# Altium PCB BananaBoard_PCB_4_LAYERS.PcbDoc (part 2 of 3)
Units mil, origin at the board's own origin, x right, y up, seen from the top; angles counter-clockwise.
Board outline 2710.63 x 4110.24 mil, 4 copper layers (ETCH_TOP, ETCH_2_GND, ETCH_3_POWER, ETCH_BOTTOM), stack 63.2 mil thick; 391 components, 164 nets, 1036 pads, 659 vias.
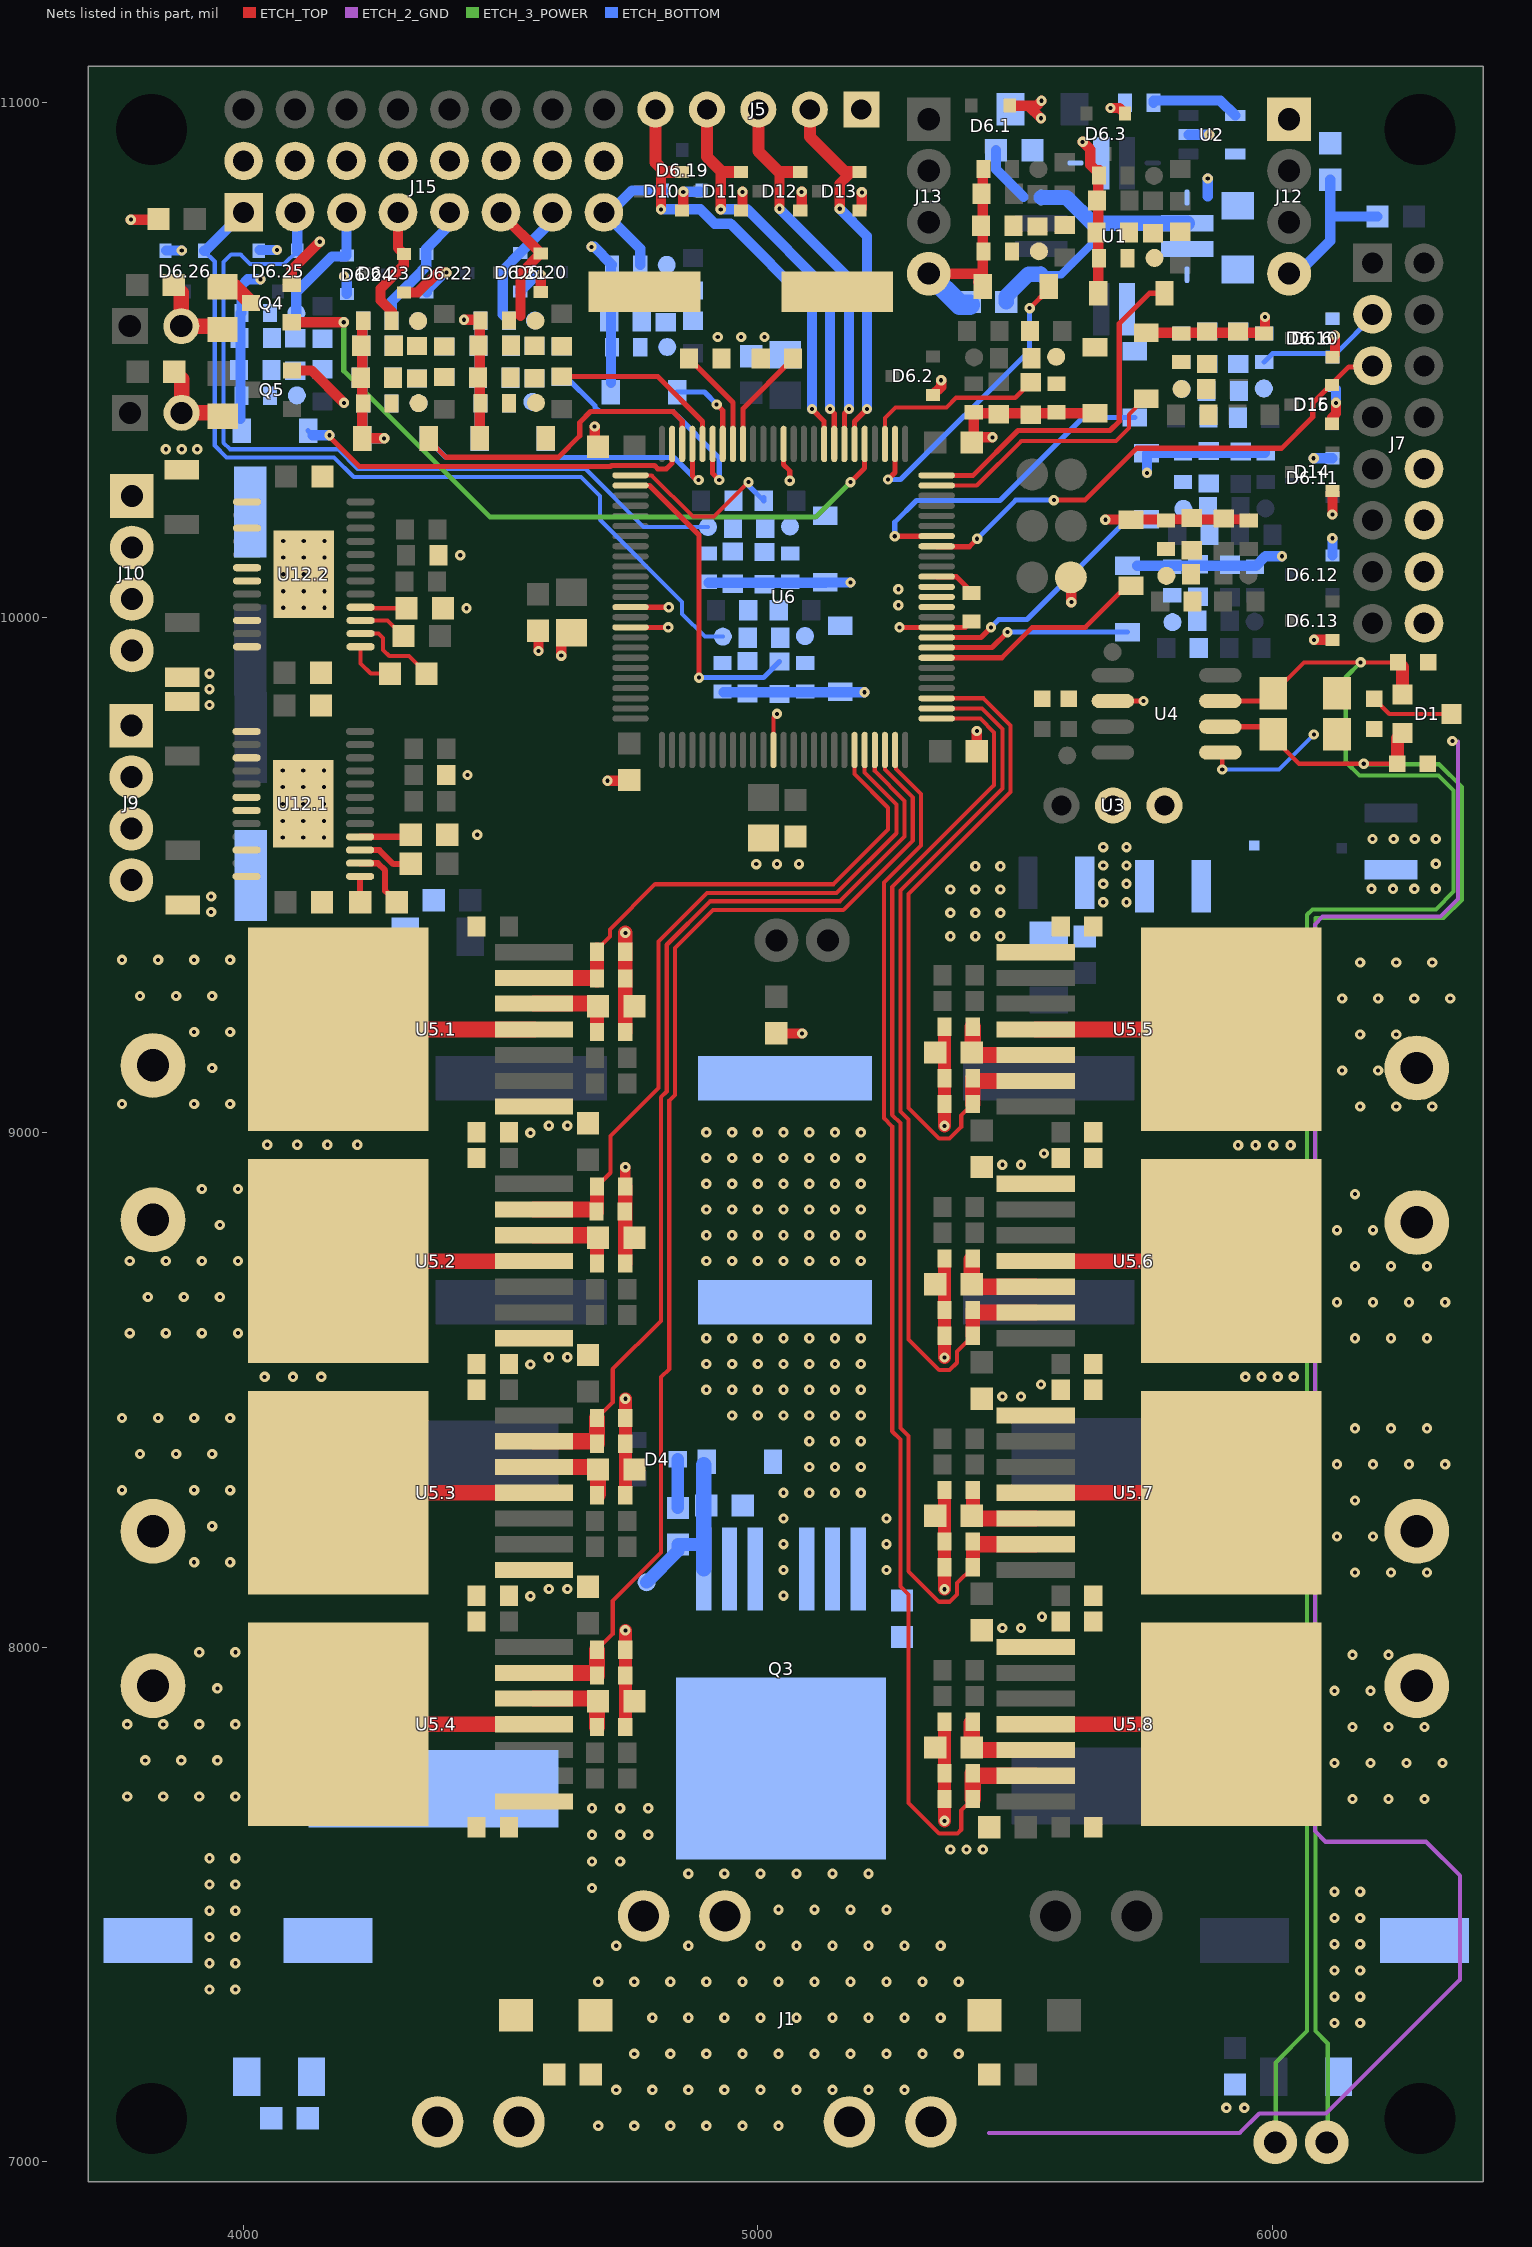
[diagram p4: the nets of this part, all layers, seen from the top]

## Footprints (in the part's own frame and the unit in brackets; to place one, negate y for a bottom-side part, rotate by r counter-clockwise, add the part's x,y. Pads: shape width x height; smd on the part's side, far side on the other; paste and mask are expansions set on the pad) (continued)
CYP-AX100_N [mm] "QFN, 100-Leads, Body 14x14mm, Pitch 0.5mm, IPC Medium Density"
  oval 1.8x0.3 smd: 1(-7.55,6) 2(-7.55,5.5) 3(-7.55,5) 4(-7.55,4.5) 5(-7.55,4) 6(-7.55,3.5) 7(-7.55,3) 8(-7.55,2.5) 9(-7.55,2) 10(-7.55,1.5) 11(-7.55,1) 12(-7.55,0.5) 13(-7.55,0) 14(-7.55,-0.5) 15(-7.55,-1) 16(-7.55,-1.5) 17(-7.55,-2) 18(-7.55,-2.5) 19(-7.55,-3) 20(-7.55,-3.5) 21(-7.55,-4) 22(-7.55,-4.5) 23(-7.55,-5) 24(-7.55,-5.5) 25(-7.55,-6) 51(7.55,-6) 52(7.55,-5.5) 53(7.55,-5) 54(7.55,-4.5) 55(7.55,-4) 56(7.55,-3.5) 57(7.55,-3) 58(7.55,-2.5) 59(7.55,-2) 60(7.55,-1.5) 61(7.55,-1) 62(7.55,-0.5) 63(7.55,0) 64(7.55,0.5) 65(7.55,1) 66(7.55,1.5) 67(7.55,2) 68(7.55,2.5) 69(7.55,3) 70(7.55,3.5) 71(7.55,4) 72(7.55,4.5) 73(7.55,5) 74(7.55,5.5) 75(7.55,6)
  oval 0.3x1.8 smd: 26(-6,-7.55) 27(-5.5,-7.55) 28(-5,-7.55) 29(-4.5,-7.55) 30(-4,-7.55) 31(-3.5,-7.55) 32(-3,-7.55) 33(-2.5,-7.55) 34(-2,-7.55) 35(-1.5,-7.55) 36(-1,-7.55) 37(-0.5,-7.55) 38(0,-7.55) 39(0.5,-7.55) 40(1,-7.55) 41(1.5,-7.55) 42(2,-7.55) 43(2.5,-7.55) 44(3,-7.55) 45(3.5,-7.55) 46(4,-7.55) 47(4.5,-7.55) 48(5,-7.55) 49(5.5,-7.55) 50(6,-7.55) 76(6,7.55) 77(5.5,7.55) 78(5,7.55) 79(4.5,7.55) 80(4,7.55) 81(3.5,7.55) 82(3,7.55) 83(2.5,7.55) 84(2,7.55) 85(1.5,7.55) 86(1,7.55) 87(0.5,7.55) 88(0,7.55) 89(-0.5,7.55) 90(-1,7.55) 91(-1.5,7.55) 92(-2,7.55) 93(-2.5,7.55) 94(-3,7.55) 95(-3.5,7.55) 96(-4,7.55) 97(-4.5,7.55) 98(-5,7.55) 99(-5.5,7.55) 100(-6,7.55)
  silkscreen extent -7.68,-6.25 6.25,6.82, body extent -7,-7 7,7, height 1.6
FCI_68000-404HLF [mil] "FCI_68000-404HLF"
  rect 85x85 hole 43 mask+0: 1(-150,0)
  round 85 hole 43 mask+0: 2(-50,0) 3(50,0) 4(150,0)
  silkscreen extent -200,-50 200,50, body extent -200,-48 200,47, height 329
HEADER2_100#1 [mil] "HEADER2_100"
  round 85 hole 43 mask+0: 1(-50,0) 2(50,0)
  silkscreen extent -95,-45 95,45, body extent -100,-50 100,50, height 340
HEADER2_100#2 [mil] "HEADER2_100"
  round 75 hole 43 mask+0: 1(-50,0) 2(50,0)
  silkscreen extent -95,-45 95,45, body extent -100,-50 100,50, height 340
HEADER2X8_826664#1 [mil] "HEADER2X8_826664"
  rect 75x75 hole 41 mask+0: 1(50,-350)
  round 75 hole 41 mask+0: 2(50,-250) 3(50,-150) 4(50,-50) 5(50,50) 6(50,150) 7(50,250) 8(50,350) 9(-50,-350) 10(-50,-250) 11(-50,-150) 12(-50,-50) 13(-50,50) 14(-50,150) 15(-50,250) 16(-50,350)
  body extent -527,-400 62,400, height 220
HEADER2X8_826664#2 [mil] "HEADER2X8_826664"
  rect 75x75 hole 41 mask+0: 1(-50,-350)
  round 75 hole 41 mask+0: 2(-50,-250) 3(-50,-150) 4(-50,-50) 5(-50,50) 6(-50,150) 7(-50,250) 8(-50,350) 9(50,-350) 10(50,-250) 11(50,-150) 12(50,-50) 13(50,50) 14(50,150) 15(50,250) 16(50,350)
  silkscreen extent -100,-400 100,400, body extent -62,-400 527,400, height 220
HEADER4_100 [mil] "HEADER4_100"
  rect 85x85 hole 43 mask+0: 1(-150,0)
  round 85 hole 43 mask+0: 2(-50,0) 3(50,0) 4(150,0)
  silkscreen extent -200,-50 200,50, body extent -192,-46 192,46, height 320
HEADER_1X5_100 [mil] "HEADER_1X5_100"
  rect 70x70 hole 39.37 mask+0: 1(0,-200)
  round 70 hole 39.37 mask+0: 2(0,-100) 3(0,0) 4(0,100) 5(0,200)
  silkscreen extent -50,-250 50,250, body extent -50,-250 50,250, height 420
INF-PG-DSO-8-16_M [mm] "SOP, 8-Leads, Body 4.9x3.9mm, Pitch 1.27mm, IPC Low Density"
  oval 2.1x0.7 smd: 1(-2.65,1.905) 2(-2.65,0.635) 3(-2.65,-0.635) 4(-2.65,-1.905) 5(2.65,-1.905) 6(2.65,-0.635) 7(2.65,0.635) 8(2.65,1.905)
  silkscreen extent -2.77,-2.5 1.2,2.93, body extent -2,-2.5 2,2.5, height 1.75
INF-PG-TO263-7-1_N [mm] "DPAK, 8-Leads, Body 10x9.25mm, Pitch 1.27mm, IPC Medium Density"
  rect 3.85x0.8 smd: 1(-6.1,3.81) 2(-6.1,2.54) 3(-6.1,1.27) 4(-6.1,0) 5(-6.1,-1.27) 6(-6.1,-2.54) 7(-6.1,-3.81)
  rect 8.9x10.05 smd: 8(3.55,0)
  silkscreen extent -6.23,-5.1 -1.3,5.1, body extent -2.6,-5.1 6.85,5.1, height 4.4
INF-PG-TO-263-7-2_L [mm] "DPAK, 7-Leads, Body 10.1x8.98mm, Pitch 1.27mm, IPC High Density"
  rect 4.1x0.75 smd: 1(-6.15,3.81) 2(-6.15,2.54) 3(-6.15,1.27) 5(-6.15,-1.27) 6(-6.15,-2.54) 7(-6.15,-3.81)
  rect 9x10.35 smd: 4(3.7,0)
  silkscreen extent -6.27,-5.15 -1.2,5.15, body extent -2.5,-5.15 6.95,5.15, height 4.57
LCC16 [mil] "LCC16"
  rect 102x31.5 smd paste-1.75 mask+0: 1(141.73,25) 8(-141.73,25) 9(-141.73,-25) 16(141.73,-25)
  oct 10x31.5 smd paste-1.5 mask+0: 2(141.73,75) 15(141.73,-75)
  oct 31.5x10 smd paste-1.5 mask+0: 3(75,141.73) 6(-75,141.73) 11(-75,-141.73) 14(75,-141.73)
  rect 31.5x102 smd paste-1.75 mask+0: 4(25,141.73) 5(-25,141.73) 12(-25,-141.73) 13(25,-141.73)
  ETCH_TOP region: -192.75,-59.25 -90.75,-59.25 -90.75,-75.25 -106.75,-90.75 -192.75,-90.75
  ETCH_TOP region: -59.25,-192.75 -59.25,-90.75 -75.25,-90.75 -90.75,-106.75 -90.75,-192.75
  ETCH_TOP region: -59.25,192.75 -59.25,90.75 -75.25,90.75 -90.75,106.75 -90.75,192.75
  ETCH_TOP region: 59.25,192.75 59.25,90.75 75.25,90.75 90.75,106.75 90.75,192.75
  ETCH_TOP region: 192.75,59.25 90.75,59.25 90.75,75.25 106.75,90.75 192.75,90.75
  ETCH_TOP region: 192.75,-59.25 90.75,-59.25 90.75,-75.25 106.75,-90.75 192.75,-90.75
  ETCH_TOP region: 59.25,-192.75 59.25,-90.75 75.25,-90.75 90.75,-106.75 90.75,-192.75
  ETCH_TOP region: -192.75,59.25 -90.75,59.25 -90.75,75.25 -106.75,90.75 -192.75,90.75
  silkscreen extent -66,-66 74,74, body extent -140,-140 140,140, height 60
LED_100mils_TH [mil]
  rect 70x70 hole 43: 1(-100,0)
  round 70 hole 43: 2(0,0)
LPS5030 [mil]
  rect 20x20 smd: 1(-85,-5) 2(85,0)
  ETCH_TOP region: 30,-108.5 67,-108.5 108.5,-67 108.5,67 67,108.5 30,108.5 30,67 67,33.25 67,-33.25 30,-67
  ETCH_TOP region: -30,108.5 -67,108.5 -108.5,67 -108.5,-67 -67,-108.5 -30,-108.5 -30,-67 -67,-33.25 -67,33.25 -30,67
  silkscreen extent -110,100 -100,110, body extent -99,-99 99,99, height 118
Molex_39910-0104_4POS_60A [mil]
  round 100 hole 60: 1(0,0) 1(158,0) 2(400,-400) 2(558,-400) 3(800,0) 3(958,0) 4(1200,-400) 4(1358,-400)
  silkscreen extent -151,-479 1509,96, body extent -151,-653 1509,87, height 1170
NXP-SOT23-3_V [mm] "SOT23, 3-Leads, Body 1.3x2.9mm, Pitch 0.95mm"
  rect 0.6x0.7 smd paste-0.05: 1(0.95,1) 2(-0.95,1) 3(0,-1)
  silkscreen extent -1.45,-0.65 1.45,1.79, body extent -1.45,-0.65 1.45,0.65, height 1.1
ONSC-SOD-123-2-425-04_V [mm] "SOD, 2-Leads, Body 2.69x1.6mm"
  rect 0.91x1.22 smd: 1(-1.635,0) 2(1.635,0)
  silkscreen extent -1.76,-0.8 0.78,1.28, body extent -1.35,-0.8 1.35,0.8, height 1.35
ONSC-SOT23-5_L [mm] "SOT23, 5-Leads, Body 2.90x1.6mm, Pitch 0.95mm, IPC High Density"
  rect 1x0.55 smd: 1(-1.15,0.95) 2(-1.15,0) 3(-1.15,-0.95) 4(1.15,-0.95) 5(1.15,0.95)
  silkscreen extent -1.27,-1.45 0.25,1.9, body extent -0.8,-1.45 0.8,1.45, height 1
ONSC-SOT-23-3-318-08_V [mm] "SOT23, 3-Leads, Body 2.92x1.3mm, Pitch 0.95mm"
  rect 0.9x0.8 smd: 1(-1,0.95) 2(-1,-0.95) 3(1,0)
  silkscreen extent -1.12,-1.46 0.65,2.02, body extent -0.65,-1.46 0.65,1.46, height 1.11
ONSC-TSSOP-24-948AR-01_L [mm] "SOP, 24-Leads, Body 7.9x4.5mm, Pitch 0.65mm, IPC High Density"
  oval 1.4x0.35 smd: 1(-2.8,3.575) 2(-2.8,2.925) 3(-2.8,2.275) 4(-2.8,1.625) 5(-2.8,0.975) 6(-2.8,0.325) 7(-2.8,-0.325) 8(-2.8,-0.975) 9(-2.8,-1.625) 10(-2.8,-2.275) 11(-2.8,-2.925) 12(-2.8,-3.575) 13(2.8,-3.575) 14(2.8,-2.925) 15(2.8,-2.275) 16(2.8,-1.625) 17(2.8,-0.975) 18(2.8,-0.325) 19(2.8,0.325) 20(2.8,0.975) 21(2.8,1.625) 22(2.8,2.275) 23(2.8,2.925) 24(2.8,3.575)
  rect 3x4.32 all layers, no hole: 25(0,0)
  ETCH_TOP region: -1.5,-2.16 -1.5,2.16 1.5,2.16 1.5,-2.16
  silkscreen extent -2.93,-3.95 1.7,4.42, body extent -2.25,-3.95 2.25,3.95, height 1.2
PCBComponent_1 [mil]
  round 70 hole 39: 1(0,0) 2(100,0) 3(200,0)
  silkscreen extent -127,-269 337,85, body extent -127,-269 337,85, height 689
powerterminal [mm]
  round 3.2 hole 1.6: 1(0,0) 2(7.62,0)
  silkscreen extent -4.32,-2.29 11.43,4.6, body extent -4.32,-7.87 11.43,4.57, height 21.59
RC0603SP [mil] "RC0603SP"
  rect 32x32 smd paste-1 mask+0: 1(-29.5,0) 2(29.5,0)
  silkscreen extent -46,-25 46,25, body extent -31,-16 32,16, height 12
RC1206SP [mil] "RC1206SP"
  rect 54x63 smd paste-2.25 mask+0: 1(-62,0) 2(62,0)
  silkscreen extent -98,-40 98,40, body extent -63,-31 63,32, height 39
RESC0603(1608)_L [mm] "Chip Resistor, Body 1.6x0.8mm, IPC High Density"
  rect 0.7x0.9 smd: 1(-0.7,0) 2(0.7,0)
  silkscreen extent -0.05,-0.35 0.05,0.35, body extent -0.85,-0.47 0.85,0.47, height 0.6
RESC0603(1608)_M [mm] "Chip Resistor, Body 1.6x0.8mm, IPC Low Density"
  rect 1.1x1.1 smd: 1(-0.9,0) 2(0.9,0)
  silkscreen extent -0.05,-0.45 0.05,0.45, body extent -0.85,-0.47 0.85,0.47, height 0.6
RESC0603(1608)_N [mm] "Chip Resistor, Body 1.6x0.8mm, IPC Medium Density"
  rect 0.9x1 smd: 1(-0.8,0) 2(0.8,0)
  silkscreen extent -0.05,-0.4 0.05,0.4, body extent -0.85,-0.47 0.85,0.47, height 0.6
RESC0805(2012)_M [mm] "Chip Resistor, Body 2.0x1.3mm, IPC Low Density"
  rect 1.25x1.5 smd: 1(-1.05,0) 2(1.05,0)
  silkscreen extent -0.05,-0.65 0.05,0.65, body extent -1.1,-0.67 1.1,0.67, height 0.7
RESC1206(3216)_L [mm] "Chip Resistor, Body 3.2x1.6mm, IPC High Density"
  rect 0.95x1.7 smd: 1(-1.35,0) 2(1.35,0)
  silkscreen extent -0.5,-0.75 0.5,0.75, body extent -1.67,-0.87 1.67,0.87, height 0.75
SMA [mil] "SMA"
  rect 66x63 smd paste-2.5 mask+0: 1(-80,0) 2(75,0)
  silkscreen extent -102,-55 98,55, body extent -104,-51 100,51, height 95
SMD_6560 [mil] "SMD_6560"
  rect 150.5x485 smd paste-7.5 mask+0: 1(-319.75,0) 2(319.75,0)
  silkscreen extent -340,-338 340,338, body extent -342,-338 343,337, height 271
SOT23_SP [mil] "SOT23_SP"
  rect 39x39 smd paste-1.5 mask+0: 1(-37.5,-47.5) 2(37.5,-47.5) 3(0,47.5)
  silkscreen extent -51,-15 51,14, body extent -57,-55 57,55, height 43
TEST_POINT_SMT_35MILS#1 [mil] "TEST_POINT_SMT_35MILS"
  round 35 smd paste-25 mask+0: 1(0,0)
TEST_POINT_SMT_35MILS#2 [mil] "TEST_POINT_SMT_35MILS"
  round 62 smd paste-25 mask+0: 1(-3,-210)
TEST_POINT_SMT_35MILS#3 [mil] "TEST_POINT_SMT_35MILS"
  round 62 smd paste-25 mask+0: 1(0,-1)
TEST_POINT_SMT_35MILS#4 [mil] "TEST_POINT_SMT_35MILS"
  round 62 smd paste-25 mask+0: 1(0,-46)
TEST_POINT_SMT_35MILS#5 [mil] "TEST_POINT_SMT_35MILS"
  round 62 smd paste-25 mask+0: 1(0,-20)
TEST_POINT_SMT_35MILS#6 [mil] "TEST_POINT_SMT_35MILS"
  round 62 smd paste-25 mask+0: 1(0,10)
TEST_POINT_SMT_35MILS#7 [mil] "TEST_POINT_SMT_35MILS"
  round 62 smd paste-25 mask+0: 1(10,-10)
TEST_POINT_SMT_35MILS#8 [mil] "TEST_POINT_SMT_35MILS"
  round 35 smd far side paste-25 mask+0: 1(0,0)

## Part data
C1 C8 C9 C10 C11 C17.1 C17.2 C17.4 C17.5 C17.6 C17.7 C17.8 C20.1 C20.2 C20.3 C20.4 C20.5 C20.6 C20.7 C20.8 C25 C26 C27 C28 C30 C32 C34 C41 C42 C43 C44 C47 C48 C53.1 C53.2 C55.1 C55.2 C56.1 C56.2 C57.1 C57.2: library part CMP-1035-02576-1, "CAP 100nF 6.3V ±10% 0603 (1608 Metric) Thickness 1mm SMD"
C2: library part CMP-1038-02189-1, "CAP 10uF 6.3V ±10% 1210 (3225 Metric) Thickness 2.3mm SMD"
C5: library part CMP-00498-00.01, "COND CERA X7R  1206    10uF 25V   10%"
C6: library part CMP-00499-00.00, "COND CERA X7R  1206    22uF 10V   10%"
C7: library part CMP-1035-02303-1, "CAP 10nF 6.3V ±20% 0603 (1608 Metric) Thickness 1mm SMD"
C12 C14: library part CMP-00120-00.01, "COND CERA COG  0603  100PF  50V"
C13: library part CMP-00003-00.01, "COND CERA X7R 0603  4700pF  50V   5%"
C15: library part CMP-00064-00.01, "COND CERA X7R  0603   0U1F  50V"
C16.1 C16.2 C16.3 C16.4 C16.5 C16.6 C16.7 C16.8 C19.1 C19.2 C19.3 C19.4 C19.5 C19.6 C19.7 C19.8: library part CMP-1035-02692-1, "CAP 470nF 6.3V ±10% 0603 (1608 Metric) Thickness 1mm SMD"
C18.1 C18.2 C18.3 C18.4 C18.5 C18.6 C18.7 C18.8: library part CMP-00386-00.01, "COND ELEC ALU    150UF   50V     20%"
C21.1 C21.2 C21.3 C21.4 C21.5 C21.6 C21.7 C21.8: library part CMP-1035-01869-1, "CAP 1nF 6.3V ±10% 0603 (1608 Metric) Thickness 1mm SMD"
C22 C51.1 C51.2 C51.3 C51.6 C51.10 C51.11 C51.12 C51.13 C51.19 C51.20 C51.21 C51.22 C51.23 C51.24 C51.25 C51.26 C52.1 C52.2 C52.3 C52.6 C52.10 C52.11 C52.12 C52.13 C52.19 C52.20 C52.21 C52.22 C52.23 C52.24 C52.25 C52.26: library part CMP-1035-02577-1, "CAP 100nF 6.3V ±20% 0603 (1608 Metric) Thickness 1mm SMD"
C23 C24: library part CMP-1035-00799-1, "CAP 22pF 10V ±1% 0603 (1608 Metric) Thickness 1mm SMD"
C29 C31 C33: library part CMP-1036-04760-1, "CAP 1uF 35V ±20% 0805 (2012 Metric) Thickness 1.45mm SMD"
C36.1 C36.2 C39.1 C39.2: library part CMP-1035-02302-1, "CAP 10nF 6.3V ±10% 0603 (1608 Metric) Thickness 1mm SMD"
C37.1 C37.2 C40.1 C40.2: library part CMP-1037-04668-1, "CAP 1uF 6.3V ±10% 1206 (3216 Metric) Thickness 1.45mm SMD"
C38.1 C38.2: library part CMP-00386-00.00, "COND ELEC ALU    150UF   50V     20%"
C54.1 C54.2: library part CMP-00243-00.01, "COND ELEC ALU         100UF  50V   20%"
C58.1 C58.2: library part CMP-1035-02636-1, "CAP 220nF 6.3V ±10% 0603 (1608 Metric) Thickness 1mm SMD"
C59 C60: library part CMP-1038-02290-1, "CAP 47uF 6.3V ±10% 1210 (3225 Metric) Thickness 2.8mm SMD"
D1: library part CMP-00029-00.01, "CAN BUS ESD PROTECTION DIODE      SOT-23"
D3 D9: library part CMP-00278-00.02, "DIODE TVS BI 33V 400W SMA"
D4: library part CMP-1054-00090-1, "Dual Switching Diodes, Common Cathode, 3-Pin SOT-23, Tape and Reel"
D5: library part CMP-1060-00302-1, "Zener Voltage Regulator, 500 mW, 2-Pin SOD-123, Pb-Free, Tape and Reel"
D6.1 D6.2 D6.3 D6.6 D6.10 D6.11 D6.12 D6.13 D6.19 D6.20 D6.21 D6.22 D6.23 D6.24 D6.25 D6.26 D10 D11 D12 D13 D14 D15 D16: library part CMP-0417-00002-1, "Schottky Barrier Diode, 30 V, 2 uA, -55 to 150 degC, 3-Pin SOT23, RoHS, Tape and Reel"
D7.1 D7.2 D7.3 D7.6 D7.10 D7.11 D7.12 D7.13 D7.19 D7.20 D7.21 D7.22 D7.23 D7.24 D7.25 D7.26: library part CMP-1060-00561-1, "Zener Voltage Regulator, 500 mW, 2-Pin SOD-123, Pb-Free, Tape and Reel"
J1 J9 J10: library part CMP-00206-00.04, "CONNECT HEADER 4 POS"
J2 J3 J4 J6 J8 J11 J14 J16 J17 J18: library part CMP-01114-00.00, "CONNECT HEADER STRAIGHT 2,54mm 1 X 2 POS"
J5: library part CMP-01202-00.00, "PIN HEADER SINGLE ROW STRAIGHT     5 POS"
J7 J15: library part CMP-00872-00.00, "Connector HEADER RIGHT ANGLE  0,1\"   2 X 8 POS"
J12 J13: library part CMP-01654-00.00, "CNCTR HEADER 2,54mm STRAIGHT 1 X 4 POS"
L1.1 L1.2: library part CMP-01158-00.00, "INDUCTANCE 1uH 53A 20% AEC"
L2: library part CMP-0837-00007-1, "Shielded Power Inductor, 8 uH, +/- 10%, 9.83 mOhm, 26 MHz, 8.5 A, -40 to 125 degC, 3-Pin SMD, RoHS, Reel"
Q3: library part CMP-1091-00283-1, "N-Channel OptiMOS 3 Power-Transistor, 40 V VDS, 140 A ID, -55 to 175 degC, PG-TO-263-7-2, Reel, Green"
Q4 Q5: library part CMP-0630-00273-1, "Digital Transistor (BRT), R1=10 kOhm, R2=10 kOhm, NPN Transistor, 3-Pin SOT-23, Pb-Free, Tape and Reel"
R1 R2: library part CMP-00838-00.00, "RESIS 1206 60R4 1% 1/4W"
R3: library part CMP-00069-00.01, "RESIS THICK FILM 0603  10K   1%    1/10W"
R4.1 R4.2 R4.3 R4.4 R4.5 R4.6 R4.7 R4.8 R5.1 R5.2 R5.3 R5.4 R5.5 R5.6 R5.7 R5.8 R18.1 R18.2 R18.3 R18.6 R18.10 R18.11 R18.12 R18.13 R18.19 R18.20 R18.21 R18.22 R18.23 R18.24 R18.25 R18.26 R19.1 R19.2 R19.3 R19.6 R19.10 R19.11 R19.12 R19.13 R19.19 R19.20 R19.21 R19.22 R19.23 R19.24 R19.25 R19.26 R20.1 R20.2 R20.3 R20.6 R20.10 R20.11 R20.12 R20.13 R20.19 R20.20 R20.21 R20.22 R20.23 R20.24 R20.25 R20.26 R21.1 R21.2 R21.3 R21.6 R21.10 R21.11 R21.12 R21.13 R21.19 R21.20 R21.21 R21.22 R21.23 R21.24 R21.25 R21.26 R22.1 R22.2 R22.3 R22.6 R22.10 R22.11 R22.12 R22.13 R22.19 R22.20 R22.21 R22.22 R22.23 R22.24 R22.25 R22.26 R23.1 R23.2 R24.1 R24.2 R25.1 R25.2: library part CMP-1012-00098-1, "10K 0.1W 5% 0603 (1608 Metric)  SMD"
R6.1 R6.2 R6.3 R6.4 R6.5 R6.6 R6.7 R6.8: library part CMP-1012-00114-1, "47K 0.1W 5% 0603 (1608 Metric)  SMD"
R7.1 R7.2 R7.3 R7.4 R7.5 R7.6 R7.7 R7.8: library part CMP-1012-00074-1, "1K 0.1W 5% 0603 (1608 Metric)  SMD"
R12: library part CMP-1012-00106-1, "22K 0.1W 5% 0603 (1608 Metric)  SMD"
R13: library part CMP-1012-00129-1, "200K 0.1W 5% 0603 (1608 Metric)  SMD"
R14 R15: library part CMP-1013-00057-1, "200R 0.125W 5% 0805 (2012 Metric)  SMD"
R26.1 R26.2 R27.1 R27.2: library part CMP-1014-00002-1, "1R 0.25W 5% 1206 (3216 Metric)  SMD"
TP2 TP3 TP5 TP6 TP7 TP8 TP9 TP10 TP16 TP18.1 TP18.2 TP18.3 TP18.6 TP18.10 TP18.11 TP18.12 TP18.13 TP18.19 TP18.20 TP18.21 TP18.22 TP18.23 TP18.24 TP18.25 TP18.26 TP19.1 TP19.2 TP19.3 TP19.6 TP19.10 TP19.11 TP19.12 TP19.13 TP19.19 TP19.20 TP19.21 TP19.22 TP19.23 TP19.24 TP19.25 TP19.26: library part CMP-00542-00.00, "TEST POINT DE 35 MILS ROND"
U1: library part CMP-00212-00.01, "ACCELEROMETRE 3 AXE +/- 1.5G      16 LCC"
U2: library part CMP-0273-00001-2, "Fixed Low Drop Positive Voltage Regulator, 3.3V, 5-Pin TSOT-23, Tape and Reel"
U3: library part Component_1
U4: library part CMP-1092-00012-1, "High Speed CAN-Transceiver with Bus Wake-up, 1 Mbit/s Transmission Rate, PG-DSO-8-16, Reel, Green"
U5.1 U5.2 U5.3 U5.4 U5.5 U5.6 U5.7 U5.8: library part CMP-1114-00015-1, "High Current PN Half Bridge, 5.5 to 40 V, 7 uA Iq, PG-TO263-7, Reel, Green"
U6: library part CMP-1003-00018-1, "PSoC Programmable System-on-Chip, 256 KB Flash, 62 GPIOs, 1.71 to 5.5 V, 100-Pin TQFP (AX100), Tray"
U8 U9: library part LED_Standard_Through_Hole
X1: library part CMP-00157-00.02, "CRISTAL 8MHZ RESONNANCE PARAL HC-49U/SMD"

## Free pads (board coordinates)
  round 0 hole 137.79 unplated paste+0 mask+0: 0(3822,7084) 0(3822,10948) 0(6286,7084) 0(6286,10948)

## Via types
v1: diameter 20, hole 8, ETCH_TOP to ETCH_BOTTOM, 658 vias
v2: diameter 20, hole 8, ETCH_TOP to ETCH_BOTTOM, tented both sides, 1 vias

## Nets (pads, with @x,y where several pads share a name; then routed paths per layer and width w, separated by ;. In a path a pad name is that pad's centre, name@x,y a point inside that pad or via, vN(x,y) a via of type N, cw(c..) or ccw(c..) an arc to the next point about the centre after c; other vN are vias at no path point)
+3V3: C6.1 C8.2 C9.2 C11.2 J12.1 U1.4 U1.11 U1.14 U2.5 | length 676.4
  ETCH_BOTTOM w15: U1.11@5550.27,10666 5588.94,10666 5649.54,10726.61 5649.54,10766
  ETCH_BOTTOM w20: C8.2@5462.57,10908 5462.57,10870.43 5516,10817
  ETCH_BOTTOM w30: C9.2@5482.43,10613 5482.43,10623.43 5526,10667 U1.11@5549.27,10667 ; U1.14@5550.27,10816 5599.54,10816 5649.54,10766 U1.4@5833.73,10766
/CHIP_SELECT: D15.2 J7.3 U6.18 | length 1041.4
  ETCH_TOP w10: U6.18@5347.24,10138.43 5348.02,10137.65 5410.65,10137.65 v1(5426,10153) ; v1(5575,10228) 5635,10228 5736,10329 6017.53,10329 6078,10389.47 6078,10417 6148,10487 6192,10487 6198,10493 J7.3@6198,10520
  ETCH_BOTTOM w10: v1(5426,10153) 5501,10228 v1(5575,10228)
DIRECTION: C52.6.2 D6.6.2 J7.2 R18.6.2 R20.6.1 R22.6.1 TP19.6.1 | length 284.4
  ETCH_BOTTOM w10: C52.6.2@5983.5,10496.44 6000.06,10513 6103.77,10513 6104.37,10513.6 6123.6,10513.6 6198,10588 J7.2@6198,10620
EXT_GND: C1.1 C12.2 C13.2 C14.1 C41.1 C42.2 D1.3 D3.1 D9.1 J1.2 J1.3 Q3.4 | length 4086.5
  ETCH_TOP w8: C13.2@6197,9842.5 6226.5,9813 D1.3@6347.5,9813
  ETCH_2_GND w8: 5449,7056 5936,7056 5974,7094 6104,7094 6364,7354 6364,7556 6298,7622 6103,7622 6082,7643 6082,9404 6097,9419 6326,9419 6360,9453 6360,9759
  other v1: 4690,7070 4760,7070 4830,7070 4900,7070 4970,7070 5040,7070 4725,7140 4795,7140 4865,7140 4935,7140 5005,7140 5075,7140 5145,7140 5215,7140 5285,7140 4760,7210 4830,7210 4900,7210 4970,7210 5040,7210 5110,7210 5180,7210 5250,7210 5320,7210 5390,7210 4795,7280 4865,7280 4935,7280 5005,7280 5075,7280 5145,7280 5215,7280 5285,7280 5355,7280 4690,7350 4760,7350 4830,7350 4900,7350 4970,7350 5040,7350 5110,7350 5180,7350 5250,7350 5320,7350 5390,7350 4725,7420 4865,7420 5005,7420 5075,7420 5145,7420 5215,7420 5285,7420 5355,7420 5040,7490 5110,7490 5180,7490 5250,7490 4865,7560 4935,7560 5005,7560 5075,7560 5145,7560 5215,7560 6349,9760
GND: C2.1 C5.2 C6.2 C7.1 C8.1 C9.1 C10.1 C11.1 C15.2 C17.1.1 C17.2.1 C17.4.1 C17.5.1 C17.6.1 C17.7.1 C17.8.1 C18.1.2 C18.2.2 C18.3.2 C18.4.2 C18.5.2 C18.6.2 C18.7.2 C18.8.2 C19.1.1 C19.2.1 C19.3.1 C19.4.1 C19.5.1 C19.6.1 C19.7.1 C19.8.1 C20.1.1 C20.2.1 C20.3.1 C20.4.1 C20.5.1 C20.6.1 C20.7.1 C20.8.1 C21.1.1 C21.2.1 C21.3.1 C21.4.1 C21.5.1 C21.6.1 C21.7.1 C21.8.1 C22.1 C23.1 C24.1 C25.1 C26.1 C27.1 C28.1 C29.1 C30.1 C31.1 C32.1 C33.1 C34.1 C36.1.2 C36.2.2 C37.1.1 C37.2.1 C38.1.2 C38.2.2 C39.1.2 C39.2.2 C40.1.1 C40.2.1 C42.1 C43.1 C44.1 C51.1.1 C51.2.1 C51.3.1 C51.6.1 C51.10.1 C51.11.1 C51.12.1 C51.13.1 C51.19.1 C51.20.1 C51.21.1 C51.22.1 C51.23.1 C51.24.1 C51.25.1 C51.26.1 C52.1.1 C52.2.1 C52.3.1 C52.6.1 C52.10.1 C52.11.1 C52.12.1 C52.13.1 C52.19.1 C52.20.1 C52.21.1 C52.22.1 C52.23.1 C52.24.1 C52.25.1 C52.26.1 C54.1.2 C54.2.2 C55.1.1 C55.2.1 C56.1.1 C56.2.1 C58.1.1 C58.2.1 C59.1 C60.1 D5.2 D6.1.1 D6.2.1 D6.3.1 D6.6.1 D6.10.1 D6.11.1 D6.12.1 D6.13.1 D6.19.1 D6.20.1 D6.21.1 D6.22.1 D6.23.1 D6.24.1 D6.25.1 D6.26.1 D7.1.2 D7.2.2 D7.3.2 D7.6.2 D7.10.2 D7.11.2 D7.12.2 D7.13.2 D7.19.2 D7.20.2 D7.21.2 D7.22.2 D7.23.2 D7.24.2 D7.25.2 D7.26.2 D10.1 D11.1 D12.1 D13.1 D14.1 D15.1 D16.1 J5.1 J7.13 J7.14 J7.15 J7.16 J12.4 J13.4 J15.9 J15.10 J15.11 J15.12 J15.13 J15.14 J15.15 J15.16 Q3.2 Q3.3 Q3.5 Q3.6 Q3.7 Q4.2 Q5.2 R3.1 R6.1.1 R6.2.1 R6.3.1 R6.4.1 R6.5.1 R6.6.1 R6.7.1 R6.8.1 R7.1.1 R7.2.1 R7.3.1 R7.4.1 R7.5.1 R7.6.1 R7.7.1 R7.8.1 R13.1 R21.1.2 R21.2.2 R21.3.2 R21.6.2 R21.10.2 R21.11.2 R21.12.2 R21.13.2 R21.19.2 R21.20.2 R21.21.2 R21.22.2 R21.23.2 R21.24.2 R21.25.2 R21.26.2 R22.1.2 R22.2.2 R22.3.2 R22.6.2 R22.10.2 R22.11.2 R22.12.2 R22.13.2 R22.19.2 R22.20.2 R22.21.2 R22.22.2 R22.23.2 R22.24.2 R22.25.2 R22.26.2 R25.1.2 R25.2.2 R26.1.1 R26.2.1 R27.1.1 R27.2.1 TP7.1 U1.3 U1.5 U1.6 U1.8 U1.15 U1.16 U2.2 U3.2 U4.2 U5.1.1 U5.2.1 U5.3.1 U5.4.1 U5.5.1 U5.6.1 U5.7.1 U5.8.1 U6.10 U6.12 U6.13 U6.14 U6.38 U6.64 U6.66 U6.87 U12.1.13 U12.1.24 U12.1.25 U12.2.13 U12.2.24 U12.2.25 | length 8309.9